# Altium PCB 2-quilter-output.PcbDoc (part 16 of 26) (continued)
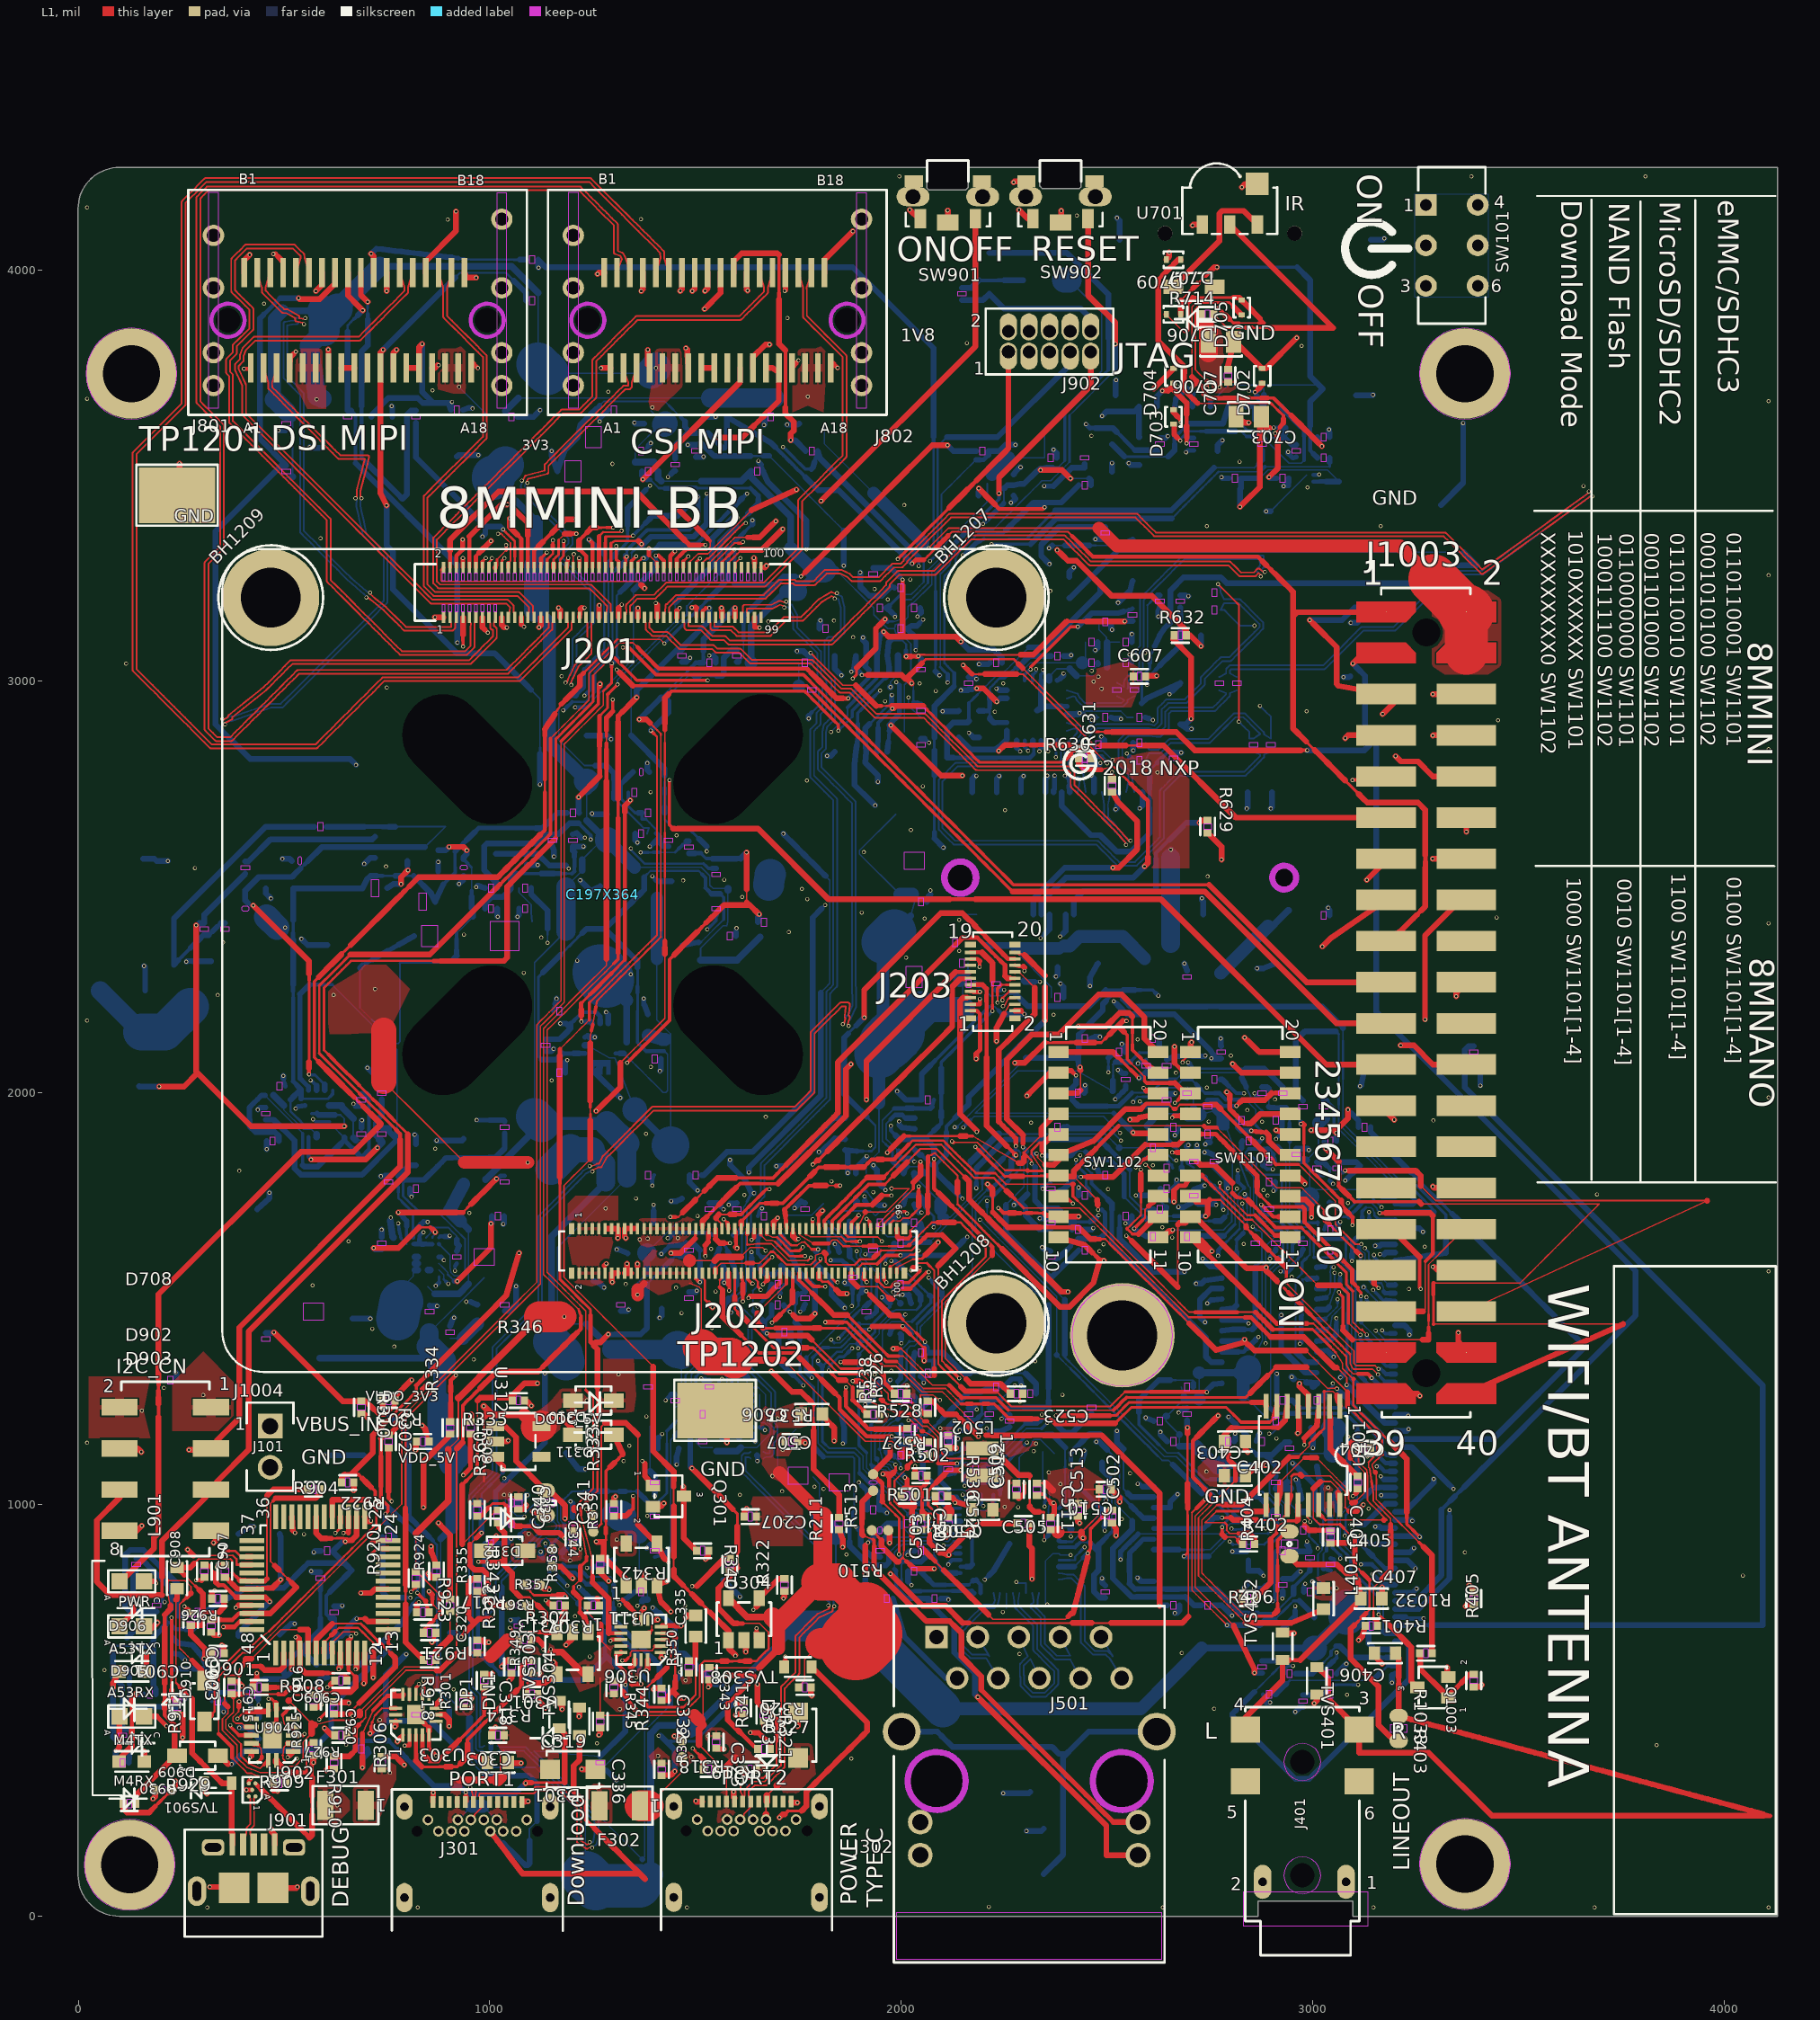
[diagram p0: L1 view]
## Nets (pads, with @x,y where several pads share a name; then routed paths per layer and width w, separated by ;. In a path a pad name is that pad's centre, name@x,y a point inside that pad or via, vN(x,y) a via of type N, cw(c..) or ccw(c..) an arc to the next point about the centre after c; other vN are vias at no path point) (continued)
  L8 w4.28: R611.2@2568.23,2999.34 2559.12,2990.67 2550,2982 2550.07,2982.09 2550.15,2982.19 2550.22,2982.29 2550.29,2982.39 2550.36,2982.49 2550.43,2982.59 2550.49,2982.69 2550.55,2982.8 2550.6,2982.91 2550.66,2983.02 2550.71,2983.13 2550.76,2983.24 2550.8,2983.36 2550.84,2983.47 2550.88,2983.59 2550.92,2983.7 2550.95,2983.82 2550.98,2983.94 2551.01,2984.06 2551.03,2984.18 2551.05,2984.3 2551.07,2984.42 2551.08,2984.54 2551.09,2984.66 2551.1,2984.78 2551.11,2984.9 2551.11,2985.01 2551.11,2994 2552.25,3000.23 2558.07,3007.83 2565.68,3009.62 2565.8,3009.65 2565.92,3009.68 2566.04,3009.72 2566.15,3009.76 2566.27,3009.8 2566.38,3009.84 2566.49,3009.89 2566.6,3009.94 2566.71,3009.99 2566.82,3010.05 2566.93,3010.11 2567.03,3010.17 2567.14,3010.24 2567.24,3010.3 2567.34,3010.37 2567.44,3010.45 2567.53,3010.52 2567.63,3010.6 2567.72,3010.68 2567.81,3010.76 2567.9,3010.85 2576.52,3019.47 ; 2576.56,3019.47 2576.68,3019.48 2576.81,3019.48 2576.93,3019.49 2577.05,3019.51 2577.17,3019.53 2577.29,3019.55 2577.41,3019.57 2577.53,3019.6 2577.65,3019.63 2577.76,3019.66 2577.88,3019.7 2578,3019.74 2578.11,3019.78 2578.22,3019.83 2578.34,3019.87 2578.45,3019.93 2578.55,3019.98 2578.66,3020.04 2578.77,3020.1 2578.87,3020.16 2578.98,3020.22 2579.08,3020.29 2579.18,3020.36 2579.27,3020.44 2579.37,3020.51 2579.46,3020.59 2579.56,3020.67 2579.64,3020.75 2579.72,3020.83 2586.29,3027.4 2586.38,3027.49 2586.46,3027.58 2586.54,3027.67 2586.62,3027.76 2586.69,3027.86 2586.77,3027.96 2586.84,3028.06 2586.91,3028.16 2586.97,3028.26 2587.03,3028.36 2587.09,3028.47 2587.15,3028.58 2587.2,3028.69 2587.25,3028.8 2587.3,3028.91 2587.35,3029.03 2587.39,3029.14 2587.43,3029.26 2587.46,3029.37 2587.5,3029.49 2587.53,3029.61 2587.55,3029.73 2587.58,3029.85 2587.6,3029.97 2587.61,3030.09 2587.63,3030.21 2587.64,3030.33 2587.65,3030.45 2587.65,3030.57 2587.65,3030.68 2587.65,3042.11 2587.65,3053.54 2587.65,3053.66 2587.65,3053.79 2587.64,3053.91 2587.63,3054.03 2587.61,3054.15 2587.59,3054.27 2587.57,3054.39 2587.55,3054.51 2587.52,3054.63 2587.49,3054.75 2587.46,3054.87 2587.42,3054.98 2587.38,3055.1 2587.34,3055.21 2587.3,3055.32 2587.25,3055.44 2587.2,3055.55 2587.14,3055.66 2587.09,3055.76 2587.03,3055.87 2586.96,3055.98 2586.9,3056.08 2586.83,3056.18 2586.76,3056.28 2586.69,3056.38 2586.61,3056.47 2586.53,3056.57 2586.45,3056.66 2586.37,3056.75 2586.29,3056.82 2586.15,3056.97 2580.16,3067.86 2580.16,3071.98 2588.44,3080.26 2588.53,3080.35 2588.61,3080.43 2588.69,3080.53 2588.77,3080.62 2588.84,3080.72 2588.92,3080.81 2588.99,3080.91 2589.05,3081.02 2589.12,3081.12 2589.18,3081.22 2589.24,3081.33 2589.3,3081.44 2589.35,3081.55 2589.4,3081.66 2589.45,3081.77 2589.5,3081.88 2589.54,3082 2589.58,3082.11 2589.61,3082.23 2589.64,3082.35 2589.67,3082.47 2589.7,3082.59 2589.72,3082.7 2589.75,3082.82 2589.76,3082.95 2589.78,3083.07 2589.79,3083.19 2589.79,3083.31 2589.8,3083.43 2589.8,3083.54 2589.8,3102.59 2589.8,3121.63 2589.8,3140.68 2589.8,3159.72 2589.8,3178.77 2589.8,3197.82 2602.15,3210.17 2614.5,3222.52 2626.85,3234.87 2639.2,3247.22 2651.55,3259.57 2663.9,3271.92 2676.26,3284.27 2688.61,3296.62 2706.85,3296.62 2725.09,3296.62 2743.34,3296.62 2761.58,3296.62 2779.83,3296.62 2798.07,3296.62 2816.31,3296.62 2834.56,3296.62 2852.8,3296.62 2871.05,3296.62 2872.64,3281.09 2865.21,3272.84 2865.13,3272.75 2865.05,3272.66 2864.98,3272.56 2864.9,3272.47 2864.83,3272.37 2864.77,3272.26 2864.7,3272.16 2864.64,3272.06 2864.58,3271.95 2864.52,3271.84 2864.47,3271.73 2864.42,3271.62 2864.37,3271.51 2864.32,3271.4 2864.28,3271.28 2864.24,3271.17 2864.21,3271.05 2864.17,3270.93 2864.15,3270.81 2864.12,3270.69 2864.09,3270.57 2864.07,3270.45 2864.06,3270.33 2864.04,3270.21 2864.03,3270.09 2864.02,3269.97 2864.02,3269.85 2864.02,3269.73 2864.02,3269.6 2864.03,3269.48 2864.03,3269.36 2864.05,3269.24 2864.06,3269.12 2864.08,3269 2864.1,3268.88 2864.12,3268.76 2864.15,3268.64 2864.18,3268.52 2864.22,3268.4 2864.25,3268.29 2864.29,3268.17 2864.33,3268.06 2864.38,3267.94 2864.43,3267.83 2864.48,3267.72 2864.53,3267.61 2864.59,3267.51 2864.65,3267.4 2864.72,3267.29 2864.78,3267.19 2864.85,3267.09 2864.92,3266.99 2864.99,3266.89 2865.07,3266.8 2865.15,3266.71 2865.23,3266.61 2865.31,3266.53 2865.4,3266.44 2865.49,3266.35 2865.55,3266.29 2876.36,3256.56 v1(2874.49,3254.49)
PCIE_CLK_CPU_P: J201.77 R610.2 R614.1 | length 2244.6
  L1 w4.28: J201.77@1486.23,3155.16 1483.01,3141.14 1483,3133.57 1499.19,3133.57 1515.39,3133.57 1515.49,3133.56 1515.61,3133.56 1515.74,3133.55 1515.86,3133.54 1515.98,3133.53 1516.1,3133.51 1516.22,3133.49 1516.34,3133.47 1516.46,3133.44 1516.58,3133.41 1516.69,3133.38 1516.81,3133.34 1516.93,3133.3 1517.04,3133.26 1517.15,3133.22 1517.27,3133.17 1517.38,3133.12 1517.49,3133.06 1517.59,3133.01 1517.7,3132.95 1517.81,3132.88 1517.91,3132.82 1518.01,3132.75 1518.11,3132.68 1518.21,3132.61 1518.3,3132.53 1518.4,3132.45 1518.49,3132.37 1518.58,3132.29 1518.67,3132.21 1529.95,3120.92 1541.23,3109.64 1556.27,3109.64 1571.31,3109.64 1571.41,3109.64 1571.54,3109.63 1571.66,3109.63 1571.78,3109.61 1571.9,3109.6 1572.02,3109.58 1572.14,3109.56 1572.26,3109.54 1572.38,3109.51 1572.5,3109.48 1572.62,3109.45 1572.73,3109.41 1572.85,3109.38 1572.96,3109.33 1573.08,3109.29 1573.19,3109.24 1573.3,3109.19 1573.41,3109.14 1573.52,3109.08 1573.62,3109.02 1573.73,3108.96 1573.83,3108.89 1573.93,3108.83 1574.03,3108.75 1574.13,3108.68 1574.23,3108.61 1574.32,3108.53 1574.41,3108.45 1574.5,3108.37 1574.59,3108.28 1584.02,3098.85 1602.85,3098.85 1621.68,3098.85 1640.52,3098.85 1659.35,3098.85 1678.18,3098.85 1697.02,3098.85 1715.85,3098.85 1734.69,3098.85 1753.52,3098.85 1772.35,3098.85 1791.19,3098.85 1810.02,3098.85 1828.86,3098.85 1842.34,3112.33 1855.82,3125.81 1869.3,3139.29 1882.78,3152.77 1896.26,3166.25 1909.74,3179.73 1923.22,3193.21 1936.69,3206.69 1950.17,3220.17 1963.65,3233.65 1963.65,3238.15 1963.66,3238.26 1963.66,3238.38 1963.67,3238.5 1963.68,3238.62 1963.69,3238.75 1963.71,3238.87 1963.73,3238.99 1963.75,3239.11 1963.78,3239.23 1963.81,3239.34 1963.84,3239.46 1963.88,3239.58 1963.92,3239.69 1963.96,3239.81 1964.01,3239.92 1964.05,3240.03 1964.1,3240.14 1964.16,3240.25 1964.21,3240.36 1964.27,3240.47 1964.34,3240.57 1964.4,3240.68 1964.47,3240.78 1964.54,3240.88 1964.61,3240.98 1964.69,3241.07 1964.77,3241.16 1964.85,3241.26 1964.93,3241.35 1965.01,3241.43 1977.68,3254.1 1990.34,3266.76 1990.42,3266.84 1990.51,3266.92 1990.6,3267 1990.69,3267.08 1990.79,3267.15 1990.88,3267.23 1990.98,3267.3 1991.09,3267.36 1991.19,3267.43 1991.29,3267.49 1991.4,3267.55 1991.51,3267.61 1991.62,3267.66 1991.73,3267.72 1991.84,3267.76 1991.95,3267.81 1992.07,3267.85 1992.18,3267.89 1992.3,3267.93 1992.42,3267.96 1992.53,3267.99 1992.65,3268.02 1992.77,3268.04 1992.89,3268.06 1993.01,3268.08 1993.13,3268.09 1993.26,3268.1 1993.38,3268.11 1993.5,3268.12 1993.62,3268.12 2010.95,3268.12 2028.28,3268.12 2045.61,3268.12 2062.95,3268.12 2080.28,3268.12 2092.43,3280.27 2104.57,3292.42 2116.72,3304.57 2128.87,3316.71 2141.02,3328.86 2153.17,3341.01 2165.32,3353.16 2165.39,3353.24 2165.48,3353.32 2165.58,3353.4 2165.67,3353.48 2165.76,3353.55 2165.86,3353.63 2165.96,3353.7 2166.06,3353.77 2166.17,3353.83 2166.27,3353.89 2166.38,3353.95 2166.48,3354.01 2166.59,3354.06 2166.7,3354.12 2166.82,3354.16 2166.93,3354.21 2167.04,3354.25 2167.16,3354.29 2167.28,3354.33 2167.39,3354.36 2167.51,3354.39 2167.63,3354.42 2167.75,3354.44 2167.87,3354.46 2167.99,3354.48 2168.11,3354.49 2168.23,3354.51 2168.36,3354.51 2168.48,3354.52 2168.6,3354.52 2187.57,3354.52 2206.55,3354.52 2225.52,3354.52 2244.5,3354.52 2263.47,3354.52 2282.45,3354.52 2301.42,3354.52 2320.4,3354.52 2339.37,3354.52 2358.35,3354.52 2377.32,3354.52 2396.3,3354.52 2396.41,3354.52 2396.53,3354.51 2396.65,3354.51 2396.77,3354.5 2396.89,3354.48 2397.01,3354.46 2397.13,3354.44 2397.25,3354.42 2397.37,3354.39 2397.49,3354.36 2397.61,3354.33 2397.72,3354.3 2397.84,3354.26 2397.95,3354.21 2398.07,3354.17 2398.18,3354.12 2398.29,3354.07 2398.4,3354.02 2398.51,3353.96 2398.61,3353.9 2398.72,3353.84 2398.82,3353.77 2398.92,3353.71 2399.02,3353.64 2399.12,3353.56 2399.22,3353.49 2399.31,3353.41 2399.4,3353.33 2399.49,3353.25 2399.58,3353.16 2411.97,3340.77 2424.36,3328.38 2436.74,3316 2449.13,3303.61 2461.52,3291.22 2480.2,3291.22 2498.88,3291.22 2517.56,3291.22 2536.24,3291.22 2554.91,3291.22 2573.59,3291.22 2592.27,3291.22 2610.95,3291.22 2629.63,3291.22 2648.31,3291.22 2666.99,3291.22 2685.66,3291.22 2704.34,3291.22 2723.02,3291.22 2741.7,3291.22 2760.38,3291.22 2779.06,3291.22 2797.74,3291.22 2797.84,3291.22 2797.97,3291.21 2798.09,3291.21 2798.21,3291.2 2798.33,3291.18 2798.45,3291.16 2798.57,3291.14 2798.69,3291.12 2798.81,3291.09 2798.93,3291.06 2799.05,3291.03 2799.16,3291 2799.28,3290.96 2799.39,3290.91 2799.51,3290.87 2799.62,3290.82 2799.73,3290.77 2799.84,3290.72 2799.95,3290.66 2800.05,3290.6 2800.16,3290.54 2800.26,3290.47 2800.36,3290.41 2800.46,3290.34 2800.56,3290.26 2800.66,3290.19 2800.75,3290.11 2800.84,3290.03 2800.93,3289.95 2801.02,3289.86 2813.69,3277.19 2826.36,3264.51 2842.07,3264.55 2857.78,3264.6 2865.21,3272.84 2865.27,3272.91 2865.36,3273 2865.44,3273.09 2865.53,3273.17 2865.63,3273.25 2865.72,3273.33 2865.81,3273.4 2865.91,3273.48 2866.01,3273.55 2866.11,3273.62 2866.21,3273.68 2866.32,3273.75 2866.42,3273.81 2866.53,3273.86 2866.64,3273.92 2866.75,3273.97 2866.86,3274.02 2866.98,3274.06 2867.09,3274.11 2867.21,3274.15 2867.32,3274.18 2867.44,3274.22 2867.56,3274.25 2867.68,3274.27 2867.8,3274.3 2867.92,3274.32 2868.04,3274.34 2868.16,3274.35 2868.28,3274.36 2868.4,3274.37 2868.52,3274.38 2868.65,3274.38 2868.77,3274.38 2868.89,3274.37 2869.01,3274.37 2869.13,3274.36 2869.25,3274.34 2869.37,3274.32 2869.49,3274.3 2869.61,3274.28 2869.73,3274.25 2869.85,3274.22 2869.97,3274.19 2870.09,3274.15 2870.2,3274.12 2870.32,3274.07 2870.43,3274.03 2870.54,3273.98 2870.65,3273.93 2870.76,3273.88 2870.87,3273.82 2870.98,3273.76 2871.08,3273.7 2871.18,3273.63 2871.28,3273.57 2871.38,3273.49 2871.48,3273.42 2871.58,3273.35 2871.67,3273.27 2871.76,3273.19 2882.57,3263.46 v1(2884.43,3265.53)
  L8 w4.28: R610.2@2524.76,2996.52 2533.3,2991.55 2541.83,2986.59 2541.83,2994.42 2541.83,2994.53 2541.83,2994.65 2541.84,2994.77 2541.85,2994.9 2541.87,2995.02 2541.88,2995.14 2541.9,2995.26 2543.32,3003.01 2543.35,3003.12 2543.37,3003.24 2543.4,3003.36 2543.43,3003.48 2543.47,3003.59 2543.51,3003.71 2543.55,3003.82 2543.6,3003.94 2543.64,3004.05 2543.7,3004.16 2543.75,3004.27 2543.81,3004.38 2543.87,3004.48 2543.93,3004.59 2543.99,3004.69 2544.06,3004.79 2544.13,3004.89 2544.2,3004.99 2551.71,3014.79 2551.79,3014.9 2551.87,3014.99 2551.95,3015.08 2552.04,3015.17 2552.12,3015.26 2552.21,3015.34 2552.3,3015.43 2552.39,3015.51 2552.48,3015.58 2552.58,3015.66 2552.68,3015.73 2552.78,3015.8 2552.88,3015.87 2552.98,3015.93 2553.09,3016 2553.19,3016.05 2553.3,3016.11 2553.41,3016.16 2553.52,3016.22 2553.64,3016.26 2553.75,3016.31 2553.86,3016.35 2553.98,3016.39 2554.1,3016.42 2554.21,3016.46 2554.33,3016.49 2562.28,3018.35 2571.31,3027.39 2571.39,3027.47 2571.48,3027.55 2571.57,3027.63 2571.67,3027.71 2571.76,3027.78 2571.86,3027.86 2571.96,3027.93 2572.06,3027.99 2572.16,3028.06 2572.27,3028.12 2572.37,3028.18 2572.48,3028.24 2572.59,3028.29 2572.7,3028.35 2572.81,3028.39 2572.93,3028.44 2573.04,3028.48 2573.16,3028.52 2573.27,3028.56 2573.39,3028.59 2573.51,3028.62 2573.63,3028.65 2573.75,3028.67 2573.87,3028.69 2573.99,3028.71 2574.11,3028.72 2574.23,3028.74 2574.35,3028.74 2574.47,3028.75 ; 2574.52,3028.75 2578.37,3032.6 2578.37,3042.23 2578.37,3051.85 2578.33,3051.92 2571.46,3064.43 2571.39,3064.55 2571.34,3064.66 2571.29,3064.77 2571.24,3064.88 2571.19,3065 2571.15,3065.11 2571.11,3065.23 2571.08,3065.34 2571.04,3065.46 2571.01,3065.58 2570.99,3065.7 2570.96,3065.82 2570.94,3065.94 2570.92,3066.06 2570.91,3066.18 2570.9,3066.3 2570.89,3066.42 2570.89,3066.54 2570.88,3066.66 2570.88,3073.9 2570.89,3074.01 2570.89,3074.13 2570.9,3074.25 2570.91,3074.37 2570.92,3074.49 2570.94,3074.62 2570.96,3074.74 2570.98,3074.86 2571.01,3074.97 2571.04,3075.09 2571.07,3075.21 2571.11,3075.33 2571.15,3075.44 2571.19,3075.56 2571.23,3075.67 2571.28,3075.78 2571.33,3075.89 2571.39,3076 2571.44,3076.11 2571.5,3076.22 2571.57,3076.32 2571.63,3076.43 2571.7,3076.53 2571.77,3076.63 2571.84,3076.72 2571.92,3076.82 2571.99,3076.91 2572.07,3077.01 2572.16,3077.1 2572.24,3077.18 2580.52,3085.46 2580.52,3104.51 2580.52,3123.55 2580.52,3142.6 2580.52,3161.65 2580.52,3180.69 2580.52,3199.74 2580.52,3199.84 2580.53,3199.97 2580.53,3200.09 2580.54,3200.21 2580.56,3200.33 2580.58,3200.45 2580.6,3200.57 2580.62,3200.69 2580.65,3200.81 2580.68,3200.93 2580.71,3201.05 2580.74,3201.16 2580.78,3201.28 2580.83,3201.39 2580.87,3201.51 2580.92,3201.62 2580.97,3201.73 2581.02,3201.84 2581.08,3201.95 2581.14,3202.05 2581.2,3202.16 2581.27,3202.26 2581.33,3202.36 2581.41,3202.46 2581.48,3202.56 2581.55,3202.66 2581.63,3202.75 2581.71,3202.84 2581.79,3202.93 2581.88,3203.02 2594.57,3215.71 2607.26,3228.4 2619.95,3241.09 2632.64,3253.78 2645.33,3266.47 2658.02,3279.16 2670.71,3291.85 2683.4,3304.54 2683.48,3304.62 2683.57,3304.7 2683.66,3304.78 2683.75,3304.86 2683.85,3304.93 2683.95,3305.01 2684.05,3305.08 2684.15,3305.15 2684.25,3305.21 2684.36,3305.27 2684.46,3305.33 2684.57,3305.39 2684.68,3305.45 2684.79,3305.5 2684.9,3305.55 2685.01,3305.59 2685.13,3305.63 2685.24,3305.67 2685.36,3305.71 2685.48,3305.74 2685.6,3305.77 2685.72,3305.8 2685.84,3305.82 2685.96,3305.84 2686.08,3305.86 2686.2,3305.88 2686.32,3305.89 2686.44,3305.89 2686.56,3305.9 2686.68,3305.9 2705.68,3305.9 2724.68,3305.9 2743.68,3305.9 2762.67,3305.9 2781.67,3305.9 2800.67,3305.9 2819.67,3305.9 2838.66,3305.9 2857.66,3305.9 2876.66,3305.9 ; 2876.69,3305.91 2876.81,3305.92 2876.93,3305.92 2877.06,3305.93 2877.18,3305.93 2877.3,3305.93 2877.42,3305.92 2877.54,3305.92 2877.66,3305.91 2877.79,3305.89 2877.91,3305.87 2878.03,3305.85 2878.15,3305.83 2878.26,3305.8 2878.38,3305.77 2878.5,3305.74 2878.62,3305.7 2878.73,3305.66 2878.85,3305.62 2878.96,3305.57 2879.07,3305.53 2879.18,3305.47 2879.29,3305.42 2879.4,3305.36 2879.51,3305.3 2879.61,3305.24 2879.71,3305.18 2879.81,3305.11 2879.91,3305.04 ; 2879.94,3305.01 2880.04,3304.94 2880.14,3304.86 2880.23,3304.79 2880.32,3304.7 2880.41,3304.62 2880.5,3304.53 2880.58,3304.45 2880.66,3304.36 2880.74,3304.26 2880.82,3304.17 2880.89,3304.07 2880.97,3303.97 2881.04,3303.87 2881.1,3303.77 2881.17,3303.67 2881.23,3303.56 2881.29,3303.46 2881.34,3303.35 2881.39,3303.24 2881.44,3303.13 2881.49,3303.01 2881.54,3302.9 2881.58,3302.79 2881.61,3302.67 2881.65,3302.55 2881.68,3302.43 2881.71,3302.32 2881.74,3302.2 2881.76,3302.08 2881.78,3301.96 2881.79,3301.84 2881.81,3301.71 2881.82,3301.59 2881.82,3301.47 2881.83,3301.35 2881.83,3301.23 2881.82,3301.11 2881.82,3300.98 2881.81,3300.86 2881.79,3300.74 2881.78,3300.62 2881.76,3300.5 2881.74,3300.38 2881.71,3300.26 2881.68,3300.14 2881.65,3300.02 2881.62,3299.91 2881.58,3299.79 2881.54,3299.68 2881.5,3299.56 2881.45,3299.45 2881.4,3299.34 2881.35,3299.23 2881.29,3299.12 2880.31,3297.26 2882.08,3279.99 2882.09,3279.9 2882.1,3279.77 2882.1,3279.65 2882.1,3279.53 2882.1,3279.41 2882.1,3279.29 2882.09,3279.17 2882.08,3279.04 2882.06,3278.92 2882.05,3278.8 2882.03,3278.68 2882,3278.56 2881.98,3278.44 2881.95,3278.32 2881.91,3278.21 2881.88,3278.09 2881.84,3277.98 2881.8,3277.86 2881.75,3277.75 2881.7,3277.64 2881.65,3277.52 2881.6,3277.42 2881.54,3277.31 2881.48,3277.2 2881.42,3277.1 2881.36,3276.99 2881.29,3276.89 2881.22,3276.79 2881.14,3276.69 2881.07,3276.6 2880.99,3276.5 2880.91,3276.41 2875.21,3270.08 2882.57,3263.46 v1(2884.43,3265.53)
PCIE_NCLKREQ_DEV: D602.C J601.53 R626.2 R632.1 | length 911.5
  L1 w14.05: R632.1@2663.92,3111.58 2661.11,3102.22 2705.12,3058.21 2705.12,2925.49 v1(2705.12,2909.01)
  L3 w14.05: v1(2681.09,2826.75) 2705.7,2851.36 v1(2705.7,2884.25)
  L8 w6.9: 2604.3,2783.78 2613.56,2793.04 2622.82,2802.3
  L8 w7.92: 2632.08,2811.56 2640.05,2819.53 2648.02,2827.5 R626.2@2662.09,2827.51
  L8 w9.96: 2604.3,2692.23 2604.3,2707.49 2604.3,2722.75 2604.3,2738 ; 2604.3,2768.52 2604.3,2783.78
  L8 w12.01: 2604.3,2676.97 2604.3,2692.23
  L8 w13.03: 2604.3,2738 2604.3,2753.26
  L8 w14.05: J601.53@2389.99,2730.52 2389.98,2697.53 2461.42,2626.09 2483.97,2626.09 2524.11,2585.95 2559.05,2585.95 2604.3,2631.19 2604.3,2646.46 2604.3,2661.72 2604.3,2676.97 ; 2604.3,2753.26 2604.3,2768.52 ; 2622.82,2802.3 2632.08,2811.56 ; R626.2@2662.09,2827.51 2662.84,2826.75 v1(2681.09,2826.75) ; v1(2705.12,2909.01) 2691.69,2895.57 D602.C@2678.68,2895.57 2695.2,2884.25 v1@2705.7,2884.25
PCIE_NDIS: J601.56 U202.21 | length 1590.1
  L6 w13.03: 2380.08,1557.06 2380.08,1541.42 2380.08,1525.78 2380.08,1510.14 2380.08,1494.5 2380.08,1478.86 2380.08,1463.22 2380.08,1447.58 2380.08,1431.94 2380.08,1416.3 2380.08,1400.65 2380.08,1385.01 2380.08,1369.37 2380.08,1353.73 2380.08,1338.09 2380.08,1322.45 2391.19,1311.34
  L6 w14.05: v1(2338.87,2375.92) 2403.8,2310.99 2403.8,2159.5 2380.08,2135.77 2380.08,2120.13 2380.08,2104.49 2380.08,2088.85 2380.08,2073.21 2380.08,2057.57 2380.08,2041.93 2380.08,2026.29 2380.08,2010.64 2380.08,1995 2380.08,1979.36 2380.08,1963.72 2380.08,1948.08 2380.08,1932.44 2380.08,1916.8 2380.08,1901.16 2380.08,1885.52 2380.08,1869.88 2380.08,1854.24 2380.08,1838.6 2380.08,1822.96 2380.08,1807.31 2380.08,1791.67 2380.08,1776.03 2380.08,1760.39 2380.08,1744.75 2380.08,1729.11 2380.08,1713.47 2380.08,1697.83 2380.08,1682.19 2380.08,1666.55 2380.08,1650.91 2380.08,1635.27 2380.08,1619.63 2380.08,1603.98 2380.08,1588.34 2380.08,1572.7 2380.08,1557.06 ; 2391.19,1311.34 2402.3,1300.23 2413.41,1289.11 2424.53,1278 2435.64,1266.89 2446.75,1255.77 2457.87,1244.66 2468.98,1233.55 2480.09,1222.44 2491.2,1211.32 2502.32,1200.21 2513.43,1189.1 v1@2523.85,1178.68 ; v1@2523.85,1178.67 v1@2524.55,1177.97
  L8 w4.85: 2540.86,1134.51 2540.86,1120.55 2540.86,1106.58 2540.86,1092.61 2540.86,1078.65 2540.86,1064.68 2540.86,1050.71 2540.86,1036.75 2550.47,1027.14
  L8 w7.92: v1(2338.87,2375.92) 2349.66,2386.71
  L8 w14.05: 2349.66,2386.71 2360.45,2397.5 J601.56@2360.46,2433.28 ; v1(2524.55,1177.97) 2524.55,1162.92 2524.55,1150.83 2540.86,1134.51 ; 2550.47,1027.14 2560.07,1017.54 U202.21@2614.25,1017.54
PCIE_NDIS_LV: J202.62 U202.3
PCIE_NRST: J601.52 U202.20 | length 1646.2
  L6 w3.83: 2471.69,2100.98 2471.69,2116.39 2471.69,2131.79 2471.69,2147.2
  L6 w5.87: 2471.69,2255.04 2471.69,2270.45
  L6 w7.92: 2471.69,2100.98 2471.69,2085.57 2471.69,2070.17 2471.69,2054.76 2471.69,2039.35 2471.69,2023.95 2471.69,2008.54 2471.69,1993.14 2471.69,1977.73 2471.69,1962.32 2471.69,1946.92 2471.69,1931.51 2471.69,1916.1 2471.69,1900.7 2471.69,1885.29 2471.69,1869.89 2471.69,1854.48 2471.69,1839.07 2481.26,1829.5 2490.83,1819.93 ; 2471.69,2239.64 2471.69,2255.04
  L6 w8.94: 2386.55,2367.77 v1(2386.55,2379.96)
  L6 w13.03: 2471.69,2147.2 2471.69,2162.6
  L6 w14.05: 2386.55,2367.77 2386.55,2355.58 2471.69,2270.45 ; 2471.69,2162.6 2471.69,2178.01 2471.69,2193.42 2471.69,2208.82 2471.69,2224.23 2471.69,2239.64 ; 2490.83,1819.93 2500.4,1810.36 2509.97,1800.79 2519.54,1791.22 2529.11,1781.65 2529.11,1617.24 2678.86,1467.49 2678.86,1241.73 2712.82,1207.77 2712.82,1064.5 v1(2672.35,1024.03)
  L8 w7.92: v1(2386.55,2379.96) 2393.19,2386.6
  L8 w14.05: 2393.19,2386.6 2399.82,2393.24 J601.52@2399.83,2433.28 ; U202.20@2614.25,991.95 2654.21,991.95 2654.21,1005.88 2658.3,1009.98 v1(2672.35,1024.03)
PCIE_NRST_LV: J202.68 R211.1 | length 696
  L1 w3.83: 1787.54,1211.11 1787.54,1226.85
  L1 w4.85: 1715.78,1470.44 1725.97,1480.64 ; 1787.54,1195.38 1787.54,1211.11 ; 1787.54,1226.85 1787.54,1242.59
  L1 w7.92: v1(1686.34,1441.01) 1695.38,1450.05 ; 1725.97,1480.64 1736.17,1490.83
  L1 w8.94: 1705.58,1460.24 1715.78,1470.44 ; 1736.17,1519.63 1736.17,1534.03 1736.17,1548.43 J202.68@1737.49,1561.94
  L1 w10.99: 1781.65,1248.48 1787.54,1242.59 ; 1787.54,1179.64 1787.54,1195.38
  L1 w14.05: v1(1684.92,1323.32) 1734.72,1273.51 1756.62,1273.51 1781.65,1248.48 ; 1695.38,1450.05 1705.58,1460.24 ; 1736.17,1490.83 1736.17,1505.23 1736.17,1519.63 ; 1787.54,1179.64 1787.54,1163.9 1787.54,1148.16 1787.54,1132.42 1787.54,1116.68 1787.54,1100.94 1787.54,1085.2 1849.25,1023.49 R211.1@1849.25,968.14
  L6 w5.87: 1686.34,1411.94 1686.34,1426.47
  L6 w6.9: 1686.34,1397.41 1686.34,1411.94
  L6 w14.05: v1(1684.92,1323.32) 1686.34,1324.74 1686.34,1339.27 1686.34,1353.81 1686.34,1368.34 1686.34,1382.87 1686.34,1397.41 ; 1686.34,1426.47 v1(1686.34,1441.01)
PCIE_NWAKE: D601.A J201.86 | length 1063.8
  L1 w3.83: J201.86@1549.23,3289.9 1558.42,3299.09 1567.61,3308.28 1576.8,3317.47 1585.99,3326.66 1595.18,3335.85
  L1 w4.85: J201.86@1549.22,3276.42 J201.86@1549.23,3289.9 ; 1595.18,3335.85 1603.95,3335.85
  L1 w7.92: 1603.95,3335.85 1612.73,3335.85 v1(1615.57,3338.68)
  L3 w3.5: 1764.9,3338.68 1770.41,3344.19 1785.79,3344.19 1801.17,3344.19 1816.55,3344.19 1831.93,3344.19 1847.31,3344.19 1862.69,3344.19 1878.07,3344.19 1893.45,3344.19 1908.83,3344.19 1924.21,3344.19 1939.59,3344.19 1954.97,3344.19 1970.34,3344.19 1985.72,3344.19 2001.1,3344.19 2016.48,3344.19 2031.86,3344.19 2047.24,3344.19 2062.62,3344.19 2078,3344.19 2093.38,3344.19 2108.76,3344.19 2124.14,3344.19 2139.52,3344.19 2154.9,3344.19 2170.28,3344.19 2185.66,3344.19 2201.04,3344.19 2216.42,3344.19 2231.8,3344.19 2247.18,3344.19 2262.56,3344.19 2277.94,3344.19 2293.32,3344.19 2308.7,3344.19 2324.08,3344.19 2339.46,3344.19 2349.71,3333.94 v1(2359.97,3323.68)
  L3 w13.03: v1(1615.57,3338.68) 1630.5,3338.68 1645.43,3338.68 1660.37,3338.68 1675.3,3338.68 1690.23,3338.68 1705.16,3338.68 1720.1,3338.68 1735.03,3338.68 1749.96,3338.68 1764.9,3338.68
  L8 w3.83: 2367.84,3330.12 2382.9,3330.12 2397.95,3330.12 ; 2473.23,3330.12 2488.28,3330.12 2503.34,3330.12 2518.39,3330.12
  L8 w4.85: 2458.17,3330.12 2473.23,3330.12
  L8 w6.9: 2518.39,3330.12 2533.44,3330.12
  L8 w14.05: v1(2359.97,3323.68) 2363.19,3326.9 2364.63,3326.9 2367.84,3330.12 ; 2397.95,3330.12 2413.01,3330.12 2428.06,3330.12 2443.12,3330.12 2458.17,3330.12 ; 2533.45,3330.12 2534.85,3331.52 D601.A@2562.56,3344.2
PCIE_REQ: Q604.3 U601.22 | length 864.5
  L8 w3.5: 2245.68,3020 2252.09,3025.22 2258.51,3030.43 2268.64,3040.57 2278.78,3050.7 2288.91,3060.84 2299.05,3070.97 2304.93,3076.86 2310.81,3082.74
  L8 w3.83: 2185.75,2968.05 2196.14,2978.44 2206.53,2988.83 2216.92,2999.22 2227.31,3009.61 2237.7,3020
  L8 w5.87: 2164.96,2947.26 2175.36,2957.66
  L8 w6.9: 2175.36,2957.66 2185.75,2968.05
  L8 w7.92: 2322.55,2823.43 2322.55,2828.43 U601.22@2322.55,2842.39
  L8 w8.94: 2164.96,2905.97 2164.96,2919.73 2164.96,2933.5 2164.96,2947.26 ; 2237.7,3020 2245.68,3020
  L8 w9.96: 2232.23,2814.46 2247.28,2814.46 ; 2277.39,2814.46 2292.44,2814.46
  L8 w10.99: 2126.87,2814.46 2141.92,2814.46 2156.97,2814.46 2172.03,2814.46 2187.08,2814.46 2202.13,2814.46 2217.18,2814.46 2232.23,2814.46 ; 2164.96,2903.54 2164.96,2905.97 ; 2247.28,2814.46 2262.33,2814.46 2277.39,2814.46 ; 2292.44,2814.46 2307.49,2814.46 2313.57,2814.46 2322.55,2823.43
  L8 w12.01: U601.22@2320.33,2844.61 U601.22@2322.55,2842.39
  L8 w14.05: 2126.87,2814.46 2111.82,2814.46 2111.81,2884.89 2126.22,2899.3 2160.73,2899.3 2164.96,2903.54 ; 2310.81,3082.74 2351.34,3082.74 2483.91,3215.31 Q604.3@2483.91,3227.79 ; U601.22@2320.33,2844.61 U601.22@2320.34,2855.63